# Altium PCB ADAPTONE_PCB_COPY.PcbDoc (part 10 of 11) (continued)
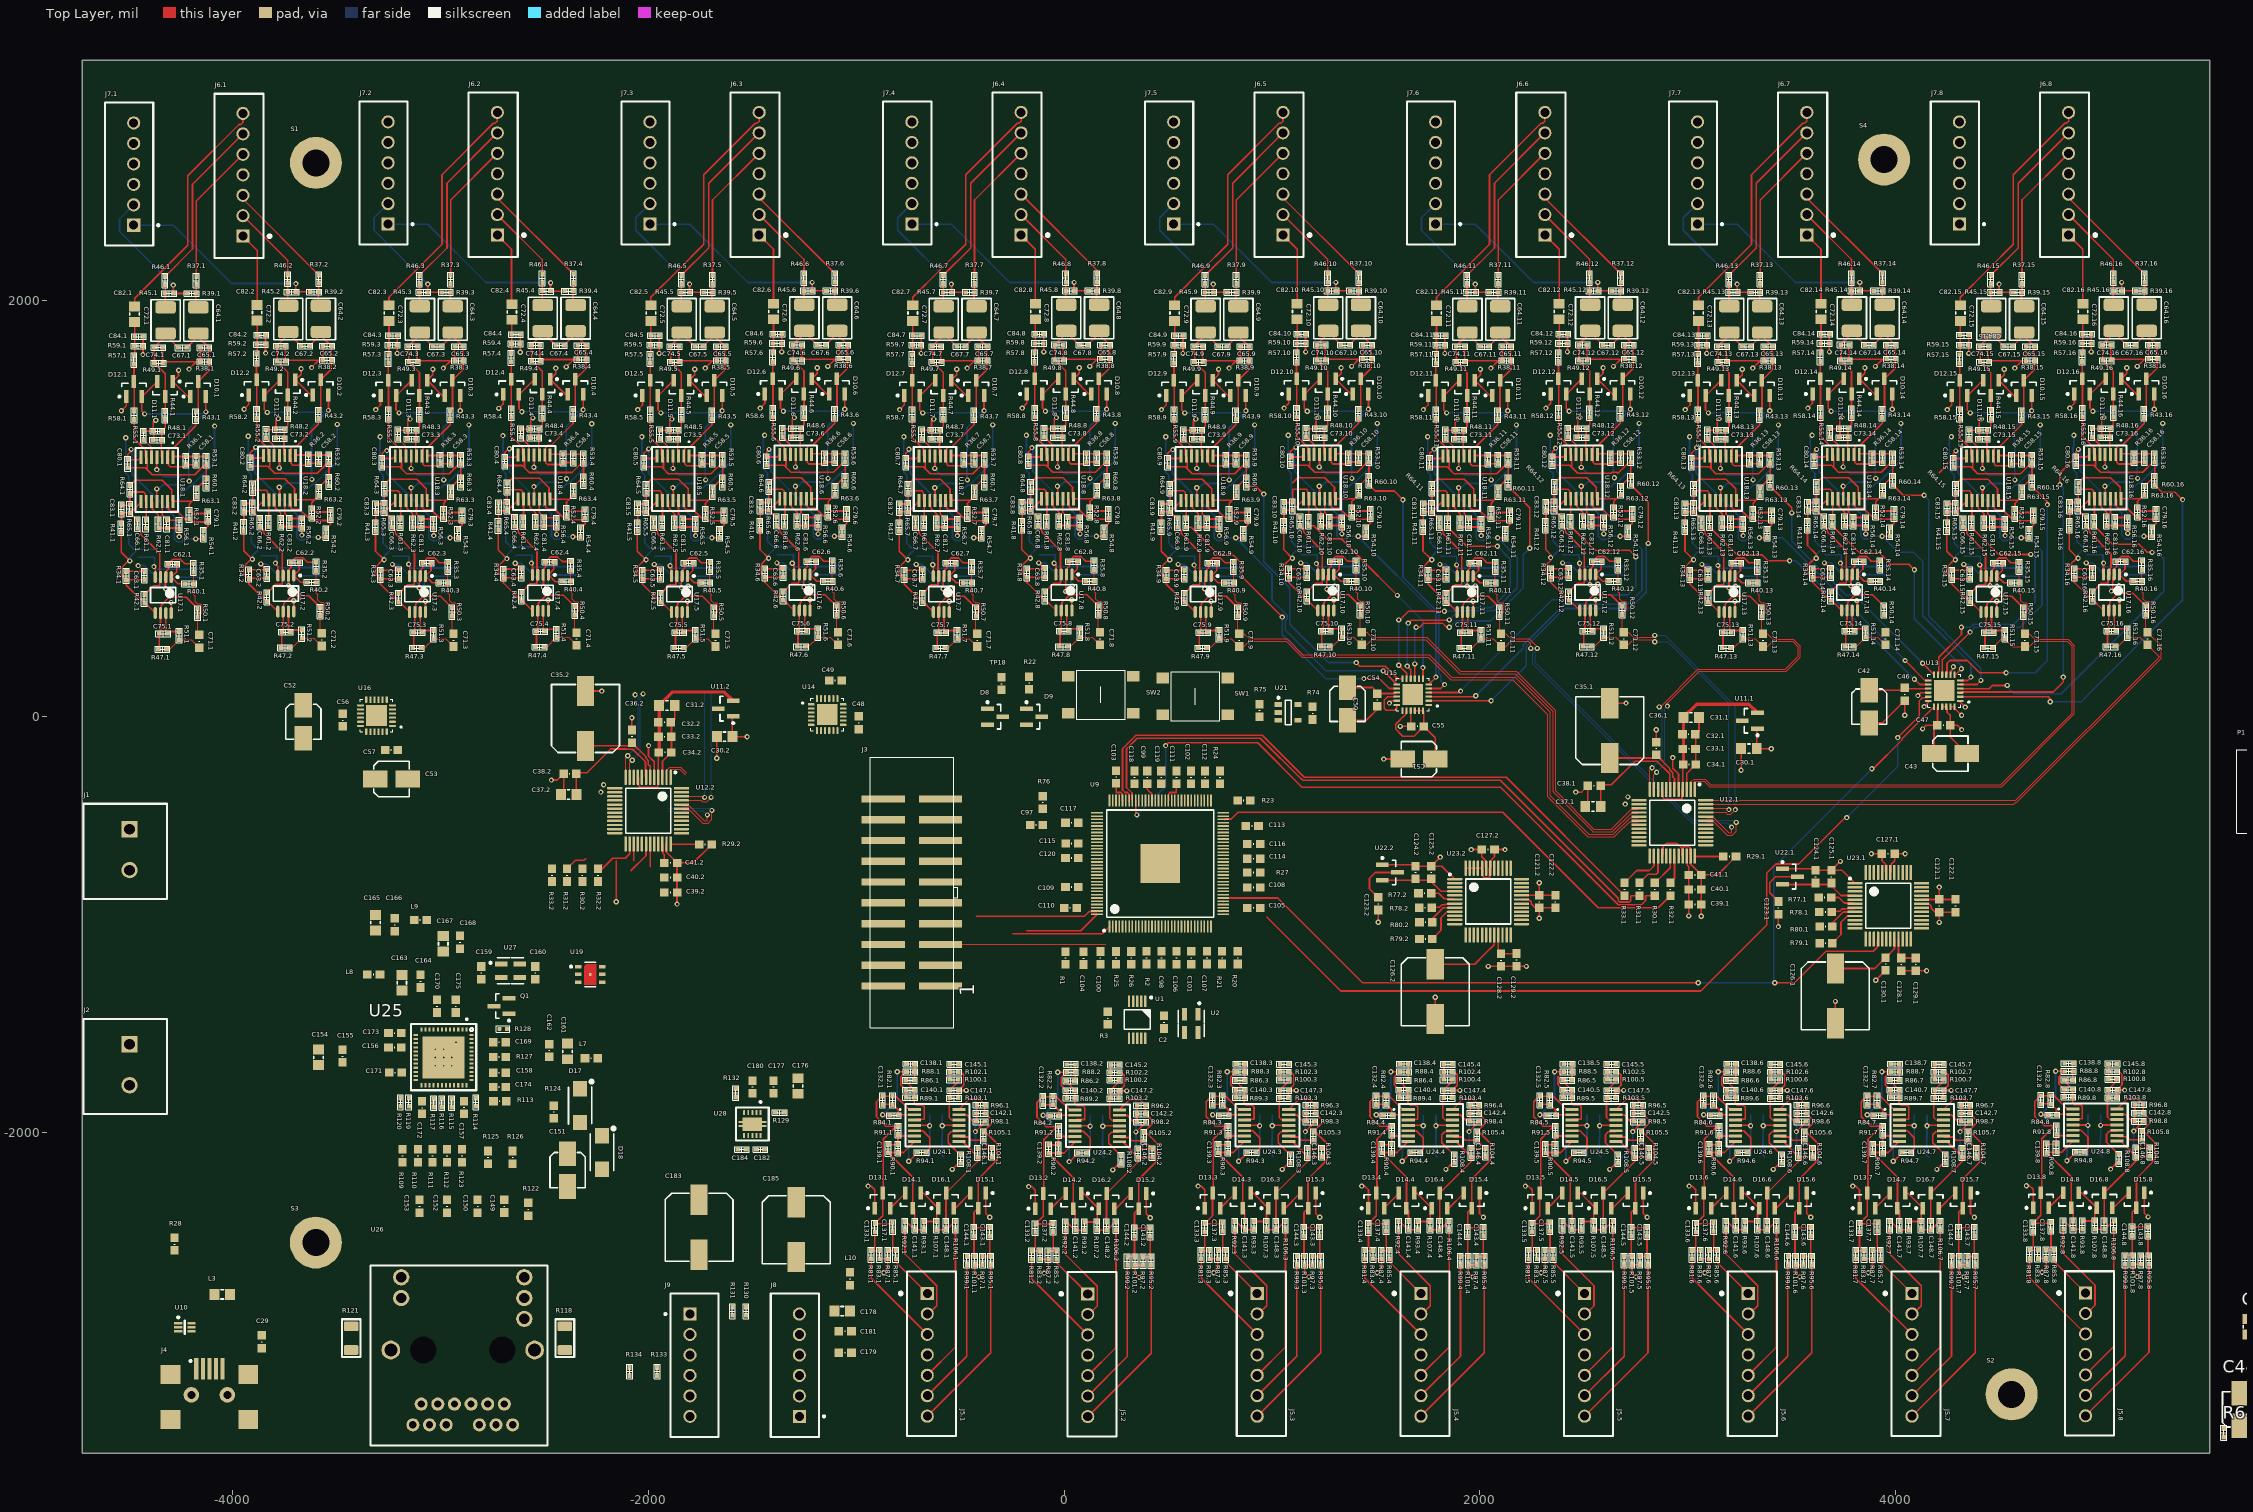
[diagram p0: Top Layer view]
## Nets (pads, with @x,y where several pads share a name; then routed paths per layer and width w, separated by ;. In a path a pad name is that pad's centre, name@x,y a point inside that pad or via, vN(x,y) a via of type N, cw(c..) or ccw(c..) an arc to the next point about the centre after c; other vN are vias at no path point) (continued)
  Top Layer w8: R97.1.2@-391.92,-2597.18 R95.1.2@-353.31,-2597.18 -358.08,-2592.41 C143.1.2@-358.08,-2497.83
NetC143.2_2: C143.2.2 R95.2.2 R97.2.2 | length 139.9
  Top Layer w8: R97.2.2@380.16,-2599.27 R95.2.2@418.77,-2599.27 414,-2594.5 C143.2.2@414,-2499.91
NetC143.3_2: C143.3.2 R95.3.2 R97.3.2 | length 139.9
  Top Layer w8: R97.3.2@1195.33,-2597.18 R95.3.2@1233.95,-2597.18 1229.18,-2592.41 C143.3.2@1229.18,-2497.83
NetC143.4_2: C143.4.2 R95.4.2 R97.4.2 | length 139.9
  Top Layer w8: R97.4.2@1982.74,-2597.18 R95.4.2@2021.35,-2597.18 2016.58,-2592.41 C143.4.2@2016.58,-2497.83
NetC143.5_2: C143.5.2 R95.5.2 R97.5.2 | length 139.9
  Top Layer w8: R97.5.2@2770.14,-2597.18 R95.5.2@2808.75,-2597.18 2803.98,-2592.41 C143.5.2@2803.98,-2497.83
NetC143.6_2: C143.6.2 R95.6.2 R97.6.2 | length 139.9
  Top Layer w8: R97.6.2@3557.54,-2597.18 R95.6.2@3596.15,-2597.18 3591.38,-2592.41 C143.6.2@3591.38,-2497.83
NetC143.7_2: C143.7.2 R95.7.2 R97.7.2 | length 139.9
  Top Layer w8: R97.7.2@4344.94,-2597.18 R95.7.2@4383.55,-2597.18 4378.78,-2592.41 C143.7.2@4378.78,-2497.83
NetC143.8_2: C143.8.2 R95.8.2 R97.8.2 | length 139.9
  Top Layer w8: R97.8.2@5180.16,-2595.1 R95.8.2@5218.77,-2595.1 5214,-2590.33 C143.8.2@5214,-2495.75
NetC144.1_2: C144.1.2 R99.1.2 R101.1.2 | length 131.5
  Top Layer w8: R99.1.2@-468.08,-2597.18 -464.49,-2593.59 -433.78,-2593.59 C144.1.2@-433.78,-2497.83
NetC144.2_2: C144.2.2 R99.2.2 R101.2.2 | length 131.5
  Top Layer w8: R99.2.2@304,-2599.27 307.59,-2595.68 338.3,-2595.68 C144.2.2@338.3,-2499.91
NetC144.3_2: C144.3.2 R99.3.2 R101.3.2 | length 131.5
  Top Layer w8: R99.3.2@1119.18,-2597.18 1122.77,-2593.59 1153.47,-2593.59 C144.3.2@1153.47,-2497.83
NetC144.4_2: C144.4.2 R99.4.2 R101.4.2 | length 131.5
  Top Layer w8: R99.4.2@1906.58,-2597.18 1910.17,-2593.59 1940.88,-2593.59 C144.4.2@1940.88,-2497.83
NetC144.5_2: C144.5.2 R99.5.2 R101.5.2 | length 131.5
  Top Layer w8: R99.5.2@2693.98,-2597.18 2697.57,-2593.59 2728.28,-2593.59 C144.5.2@2728.28,-2497.83
NetC144.6_2: C144.6.2 R99.6.2 R101.6.2 | length 131.5
  Top Layer w8: R99.6.2@3481.38,-2597.18 3484.97,-2593.59 3515.68,-2593.59 C144.6.2@3515.68,-2497.83
NetC144.7_2: C144.7.2 R99.7.2 R101.7.2 | length 131.5
  Top Layer w8: R99.7.2@4268.78,-2597.18 4272.37,-2593.59 4303.08,-2593.59 C144.7.2@4303.08,-2497.83
NetC144.8_2: C144.8.2 R99.8.2 R101.8.2 | length 131.5
  Top Layer w8: R99.8.2@5104,-2595.1 5107.59,-2591.51 5138.3,-2591.51 C144.8.2@5138.3,-2495.75
NetC145.1_2: C145.1.2 R100.1.1 R102.1.2 | length 73
  Top Layer w8: R100.1.1@-547.76,-1745.46 C145.1.2@-547.76,-1672.46
NetC145.2_2: C145.2.2 R100.2.1 R102.2.2 | length 73
  Top Layer w8: R100.2.1@224.31,-1747.54 C145.2.2@224.31,-1674.54
NetC145.3_2: C145.3.2 R100.3.1 R102.3.2 | length 73
  Top Layer w8: R100.3.1@1039.49,-1745.46 C145.3.2@1039.49,-1672.46
NetC145.4_2: C145.4.2 R100.4.1 R102.4.2 | length 73
  Top Layer w8: R100.4.1@1826.89,-1745.46 C145.4.2@1826.89,-1672.46
NetC145.5_2: C145.5.2 R100.5.1 R102.5.2 | length 73
  Top Layer w8: R100.5.1@2614.29,-1745.46 C145.5.2@2614.29,-1672.46
NetC145.6_2: C145.6.2 R100.6.1 R102.6.2 | length 73
  Top Layer w8: R100.6.1@3401.7,-1745.46 C145.6.2@3401.7,-1672.46
NetC145.7_2: C145.7.2 R100.7.1 R102.7.2 | length 73
  Top Layer w8: R100.7.1@4189.1,-1745.46 C145.7.2@4189.1,-1672.46
NetC145.8_2: C145.8.2 R100.8.1 R102.8.2 | length 73
  Top Layer w8: R100.8.1@5024.31,-1743.38 C145.8.2@5024.31,-1670.38
NetC146.1_1: C146.1.1 R104.1.2 R105.1.1 U24.1.9 | length 254.1
  Top Layer w8: U24.1.9@-506.72,-2017.64 -502.02,-2022.34 -461.22,-2022.34 -445.42,-2038.15 R105.1.1@-388.08,-2038.15 -348.76,-2077.46 R104.1.2@-348.08,-2077.46 C146.1.1@-416.46,-2078.11 C146.1.1@-418.08,-2076.5
NetC146.1_2: C146.1.2 C148.1.1 D16.1.3 R104.1.1 U24.1.8 | length 563.8
  Top Layer w8: C148.1.1@-568.08,-2428.78 D16.1.3@-568.08,-2292.04 -416.46,-2140.43 C146.1.2@-416.46,-2117.48 ; U24.1.8@-506.72,-2043.23 -490.71,-2043.23 C146.1.2@-416.46,-2117.48 ; R104.1.1@-348.08,-2116.83 -348.73,-2117.48 C146.1.2@-416.46,-2117.48
NetC146.2_1: C146.2.1 R104.2.2 R105.2.1 U24.2.9 | length 254.1
  Top Layer w8: U24.2.9@265.36,-2019.72 270.06,-2024.42 310.86,-2024.42 326.66,-2040.23 R105.2.1@384,-2040.23 423.31,-2079.54 R104.2.2@424,-2079.54 C146.2.1@355.62,-2080.2 C146.2.1@354,-2078.58
NetC146.2_2: C146.2.2 C148.2.1 D16.2.3 R104.2.1 U24.2.8 | length 563.8
  Top Layer w8: C148.2.1@204,-2430.86 D16.2.3@204,-2294.13 355.62,-2142.51 C146.2.2@355.62,-2119.57 ; U24.2.8@265.36,-2045.31 281.36,-2045.31 C146.2.2@355.62,-2119.57 ; R104.2.1@424,-2118.91 423.35,-2119.57 C146.2.2@355.62,-2119.57
NetC146.3_1: C146.3.1 R104.3.2 R105.3.1 U24.3.9 | length 254.1
  Top Layer w8: U24.3.9@1080.54,-2017.64 1085.24,-2022.34 1126.03,-2022.34 1141.84,-2038.15 R105.3.1@1199.18,-2038.15 1238.49,-2077.46 R104.3.2@1239.18,-2077.46 C146.3.1@1170.79,-2078.11 C146.3.1@1169.18,-2076.5
NetC146.3_2: C146.3.2 C148.3.1 D16.3.3 R104.3.1 U24.3.8 | length 563.8
  Top Layer w8: C148.3.1@1019.18,-2428.78 D16.3.3@1019.18,-2292.04 1170.79,-2140.43 C146.3.2@1170.79,-2117.48 ; U24.3.8@1080.54,-2043.23 1096.54,-2043.23 C146.3.2@1170.79,-2117.48 ; R104.3.1@1239.18,-2116.83 1238.52,-2117.48 C146.3.2@1170.79,-2117.48
NetC146.4_1: C146.4.1 R104.4.2 R105.4.1 U24.4.9 | length 254.1
  Top Layer w8: U24.4.9@1867.94,-2017.64 1872.64,-2022.34 1913.44,-2022.34 1929.24,-2038.15 R105.4.1@1986.58,-2038.15 2025.89,-2077.46 R104.4.2@2026.58,-2077.46 C146.4.1@1958.19,-2078.11 C146.4.1@1956.58,-2076.5
NetC146.4_2: C146.4.2 C148.4.1 D16.4.3 R104.4.1 U24.4.8 | length 563.8
  Top Layer w8: C148.4.1@1806.58,-2428.78 D16.4.3@1806.58,-2292.04 1958.19,-2140.43 C146.4.2@1958.19,-2117.48 ; U24.4.8@1867.94,-2043.23 1883.94,-2043.23 C146.4.2@1958.19,-2117.48 ; R104.4.1@2026.58,-2116.83 2025.92,-2117.48 C146.4.2@1958.19,-2117.48
NetC146.5_1: C146.5.1 R104.5.2 R105.5.1 U24.5.9 | length 254.1
  Top Layer w8: U24.5.9@2655.34,-2017.64 2660.04,-2022.34 2700.84,-2022.34 2716.64,-2038.15 R105.5.1@2773.98,-2038.15 2813.29,-2077.46 R104.5.2@2813.98,-2077.46 C146.5.1@2745.59,-2078.11 C146.5.1@2743.98,-2076.5
NetC146.5_2: C146.5.2 C148.5.1 D16.5.3 R104.5.1 U24.5.8 | length 563.8
  Top Layer w8: C148.5.1@2593.98,-2428.78 D16.5.3@2593.98,-2292.04 2745.59,-2140.43 C146.5.2@2745.59,-2117.48 ; U24.5.8@2655.34,-2043.23 2671.34,-2043.23 C146.5.2@2745.59,-2117.48 ; R104.5.1@2813.98,-2116.83 2813.33,-2117.48 C146.5.2@2745.59,-2117.48
NetC146.6_1: C146.6.1 R104.6.2 R105.6.1 U24.6.9 | length 254.1
  Top Layer w8: U24.6.9@3442.74,-2017.64 3447.44,-2022.34 3488.24,-2022.34 3504.04,-2038.15 R105.6.1@3561.38,-2038.15 3600.7,-2077.46 R104.6.2@3601.38,-2077.46 C146.6.1@3533,-2078.11 C146.6.1@3531.38,-2076.5
NetC146.6_2: C146.6.2 C148.6.1 D16.6.3 R104.6.1 U24.6.8 | length 563.8
  Top Layer w8: C148.6.1@3381.38,-2428.78 D16.6.3@3381.38,-2292.04 3533,-2140.43 C146.6.2@3533,-2117.48 ; U24.6.8@3442.74,-2043.23 3458.74,-2043.23 C146.6.2@3533,-2117.48 ; R104.6.1@3601.38,-2116.83 3600.73,-2117.48 C146.6.2@3533,-2117.48
NetC146.7_1: C146.7.1 R104.7.2 R105.7.1 U24.7.9 | length 254.1
  Top Layer w8: U24.7.9@4230.14,-2017.64 4234.85,-2022.34 4275.64,-2022.34 4291.44,-2038.15 R105.7.1@4348.78,-2038.15 4388.1,-2077.46 R104.7.2@4388.78,-2077.46 C146.7.1@4320.4,-2078.11 C146.7.1@4318.78,-2076.5
NetC146.7_2: C146.7.2 C148.7.1 D16.7.3 R104.7.1 U24.7.8 | length 563.8
  Top Layer w8: C148.7.1@4168.78,-2428.78 D16.7.3@4168.78,-2292.04 4320.4,-2140.43 C146.7.2@4320.4,-2117.48 ; U24.7.8@4230.14,-2043.23 4246.15,-2043.23 C146.7.2@4320.4,-2117.48 ; R104.7.1@4388.78,-2116.83 4388.13,-2117.48 C146.7.2@4320.4,-2117.48
NetC146.8_1: C146.8.1 R104.8.2 R105.8.1 U24.8.9 | length 254.1
  Top Layer w8: U24.8.9@5065.36,-2015.56 5070.06,-2020.26 5110.86,-2020.26 5126.66,-2036.06 R105.8.1@5184,-2036.06 5223.31,-2075.38 R104.8.2@5224,-2075.38 C146.8.1@5155.62,-2076.03 C146.8.1@5154,-2074.42
NetC146.8_2: C146.8.2 C148.8.1 D16.8.3 R104.8.1 U24.8.8 | length 563.8
  Top Layer w8: C148.8.1@5004,-2426.69 D16.8.3@5004,-2289.96 5155.62,-2138.35 C146.8.2@5155.62,-2115.4 ; U24.8.8@5065.36,-2041.15 5081.36,-2041.15 C146.8.2@5155.62,-2115.4 ; R104.8.1@5224,-2114.75 5223.35,-2115.4 C146.8.2@5155.62,-2115.4
NetC147.1_1: C147.1.1 R100.1.2 R103.1.2 U24.1.12 | length 250.2
  Top Layer w8: R103.1.2@-548.76,-1835.46 -553.08,-1839.78 -553.08,-1928.46 -540.67,-1940.87 U24.1.12@-506.72,-1940.87 ; R103.1.2@-547.76,-1834.46 C147.1.1@-547.76,-1798.46 -547.76,-1794.15 -509.39,-1755.78 R100.1.2@-509.39,-1746.46
NetC147.2_1: C147.2.1 R100.2.2 R103.2.2 U24.2.12 | length 250.2
  Top Layer w8: R103.2.2@223.31,-1837.54 219,-1841.86 219,-1930.54 231.41,-1942.95 U24.2.12@265.36,-1942.95 ; R103.2.2@224.32,-1836.54 C147.2.1@224.32,-1800.54 224.32,-1796.23 262.69,-1757.86 R100.2.2@262.69,-1748.54
NetC147.3_1: C147.3.1 R100.3.2 R103.3.2 U24.3.12 | length 250.2
  Top Layer w8: R103.3.2@1038.49,-1835.46 1034.18,-1839.78 1034.18,-1928.46 1046.59,-1940.87 U24.3.12@1080.54,-1940.87 ; R103.3.2@1039.49,-1834.46 C147.3.1@1039.49,-1798.46 1039.49,-1794.15 1077.86,-1755.78 R100.3.2@1077.86,-1746.46
NetC147.4_1: C147.4.1 R100.4.2 R103.4.2 U24.4.12 | length 250.2
  Top Layer w8: R103.4.2@1825.89,-1835.46 1821.58,-1839.78 1821.58,-1928.46 1833.99,-1940.87 U24.4.12@1867.94,-1940.87 ; R103.4.2@1826.89,-1834.46 C147.4.1@1826.89,-1798.46 1826.89,-1794.15 1865.26,-1755.78 R100.4.2@1865.26,-1746.46
NetC147.5_1: C147.5.1 R100.5.2 R103.5.2 U24.5.12 | length 250.2
  Top Layer w8: R103.5.2@2613.29,-1835.46 2608.98,-1839.78 2608.98,-1928.46 2621.39,-1940.87 U24.5.12@2655.34,-1940.87 ; R103.5.2@2614.29,-1834.46 C147.5.1@2614.29,-1798.46 2614.29,-1794.15 2652.66,-1755.78 R100.5.2@2652.66,-1746.46
NetC147.6_1: C147.6.1 R100.6.2 R103.6.2 U24.6.12 | length 250.2
  Top Layer w8: R103.6.2@3400.7,-1835.46 3396.38,-1839.78 3396.38,-1928.46 3408.79,-1940.87 U24.6.12@3442.74,-1940.87 ; R103.6.2@3401.7,-1834.46 C147.6.1@3401.7,-1798.46 3401.7,-1794.15 3440.07,-1755.78 R100.6.2@3440.07,-1746.46
NetC147.7_1: C147.7.1 R100.7.2 R103.7.2 U24.7.12 | length 250.2
  Top Layer w8: R103.7.2@4188.1,-1835.46 4183.78,-1839.78 4183.78,-1928.46 4196.19,-1940.87 U24.7.12@4230.14,-1940.87 ; R103.7.2@4189.1,-1834.46 C147.7.1@4189.1,-1798.46 4189.1,-1794.15 4227.47,-1755.78 R100.7.2@4227.47,-1746.46
NetC147.8_1: C147.8.1 R100.8.2 R103.8.2 U24.8.12 | length 250.2
  Top Layer w8: R103.8.2@5023.31,-1833.38 5019,-1837.69 5019,-1926.38 5031.41,-1938.79 U24.8.12@5065.36,-1938.79 ; R103.8.2@5024.32,-1832.38 C147.8.1@5024.32,-1796.38 5024.32,-1792.06 5062.69,-1753.69 R100.8.2@5062.69,-1744.38
NetC148.1_2: C148.1.2 R106.1.2 R107.1.2 | length 107.5
  Top Layer w8: R107.1.2@-613.69,-2468.15 C148.1.2@-568.08,-2468.15 -566,-2468.15 -526.63,-2428.78 R106.1.2@-522.5,-2428.78
NetC148.2_2: C148.2.2 R106.2.2 R107.2.2 | length 107.5
  Top Layer w8: R107.2.2@158.38,-2470.23 C148.2.2@204,-2470.23 206.08,-2470.23 245.45,-2430.86 R106.2.2@249.58,-2430.86
NetC148.3_2: C148.3.2 R106.3.2 R107.3.2 | length 107.5
  Top Layer w8: R107.3.2@973.56,-2468.15 C148.3.2@1019.18,-2468.15 1021.26,-2468.15 1060.63,-2428.78 R106.3.2@1064.75,-2428.78
NetC148.4_2: C148.4.2 R106.4.2 R107.4.2 | length 107.5
  Top Layer w8: R107.4.2@1760.96,-2468.15 C148.4.2@1806.58,-2468.15 1808.66,-2468.15 1848.03,-2428.78 R106.4.2@1852.16,-2428.78
NetC148.5_2: C148.5.2 R106.5.2 R107.5.2 | length 107.5
  Top Layer w8: R107.5.2@2548.36,-2468.15 C148.5.2@2593.98,-2468.15 2596.06,-2468.15 2635.43,-2428.78 R106.5.2@2639.56,-2428.78
NetC148.6_2: C148.6.2 R106.6.2 R107.6.2 | length 107.5
  Top Layer w8: R107.6.2@3335.77,-2468.15 C148.6.2@3381.38,-2468.15 3383.46,-2468.15 3422.83,-2428.78 R106.6.2@3426.96,-2428.78
NetC148.7_2: C148.7.2 R106.7.2 R107.7.2 | length 107.5
  Top Layer w8: R107.7.2@4123.17,-2468.15 C148.7.2@4168.78,-2468.15 4170.86,-2468.15 4210.24,-2428.78 R106.7.2@4214.36,-2428.78
NetC148.8_2: C148.8.2 R106.8.2 R107.8.2 | length 107.5
  Top Layer w8: R107.8.2@4958.38,-2466.06 C148.8.2@5004,-2466.06 5006.08,-2466.06 5045.45,-2426.69 R106.8.2@5049.58,-2426.69
NetC149_1: C149.1 U26.12
NetC150_1: C150.1 U26.6
NetC152_1: C152.1 U26.1
NetC153_1: C153.1 U26.7
NetC183_-: C183.- J8.1
NetC185_-: C185.- J8.2
NetD1_1: D1.1 R4.2
NetD2_A: D2.A D3.A R6.1
NetD6_1: D6.1 L2.2 U8.4 U8.5 U8.6
NetD8_1: D8.1 D9.1 R22.2 TP18.1 TP18.2 U9.123 U9.124
NetD9_2: D9.2 D9.3 SW1.1 SW2.1 U21.1
NetD12.1_3: D12.1.3 R57.1.1 R58.1.2 | length 227.5
  Top Layer w8: R57.1.1@-4474.84,1696.35 D12.1.3@-4474.84,1612.45 -4473.78,1611.39 R58.1.2@-4473.78,1469.3
NetD12.2_3: D12.2.3 R57.2.1 R58.2.2 | length 227.5
  Top Layer w8: R57.2.1@-3885.17,1703.83 D12.2.3@-3885.17,1619.93 -3884.11,1618.86 R58.2.2@-3884.11,1476.78
NetD12.3_3: D12.3.3 R57.3.1 R58.3.2 | length 227.5
  Top Layer w8: R57.3.1@-3251.26,1701.49 D12.3.3@-3251.26,1617.59 -3250.2,1616.53 R58.3.2@-3250.2,1474.44
NetD12.4_3: D12.4.3 R57.4.1 R58.4.2 | length 227.5
  Top Layer w8: R57.4.1@-2660.23,1707.08 D12.4.3@-2660.23,1623.18 -2659.17,1622.12 R58.4.2@-2659.17,1480.03
NetD12.5_3: D12.5.3 R57.5.1 R58.5.2 | length 227.5
  Top Layer w8: R57.5.1@-1991.42,1701.49 D12.5.3@-1991.42,1617.59 -1990.35,1616.53 R58.5.2@-1990.35,1474.44
NetD12.6_3: D12.6.3 R57.6.1 R58.6.2 | length 227.5
  Top Layer w8: R57.6.1@-1401.75,1708.96 D12.6.3@-1401.75,1625.07 -1400.68,1624 R58.6.2@-1400.68,1481.92
NetD12.7_3: D12.7.3 R57.7.1 R58.7.2 | length 227.5
  Top Layer w8: R57.7.1@-731.57,1701.49 D12.7.3@-731.57,1617.59 -730.51,1616.53 R58.7.2@-730.51,1474.44
NetD12.8_3: D12.8.3 R57.8.1 R58.8.2 | length 227.5
  Top Layer w8: R57.8.1@-141.9,1708.96 D12.8.3@-141.9,1625.07 -140.84,1624 R58.8.2@-140.84,1481.92
NetD12.9_3: D12.9.3 R57.9.1 R58.9.2 | length 227.5
  Top Layer w8: R57.9.1@528.27,1701.49 D12.9.3@528.27,1617.59 529.33,1616.53 R58.9.2@529.33,1474.44
NetD12.10_3: D12.10.3 R57.10.1 R58.10.2 | length 227.5
  Top Layer w8: R57.10.1@1117.94,1708.96 D12.10.3@1117.94,1625.07 1119,1624 R58.10.2@1119,1481.92
NetD12.11_3: D12.11.3 R57.11.1 R58.11.2 | length 227.5
  Top Layer w8: R57.11.1@1788.11,1701.49 D12.11.3@1788.11,1617.59 1789.17,1616.53 R58.11.2@1789.17,1474.44
NetD12.12_3: D12.12.3 R57.12.1 R58.12.2 | length 227.5
  Top Layer w8: R57.12.1@2377.78,1708.96 D12.12.3@2377.78,1625.07 2378.85,1624 R58.12.2@2378.85,1481.92
NetD12.13_3: D12.13.3 R57.13.1 R58.13.2 | length 227.5
  Top Layer w8: R57.13.1@3047.95,1701.49 D12.13.3@3047.95,1617.59 3049.02,1616.53 R58.13.2@3049.02,1474.44
NetD12.14_3: D12.14.3 R57.14.1 R58.14.2 | length 227.5
  Top Layer w8: R57.14.1@3637.62,1708.96 D12.14.3@3637.62,1625.07 3638.69,1624 R58.14.2@3638.69,1481.92
NetD12.15_3: D12.15.3 R57.15.1 R58.15.2 | length 227.5
  Top Layer w8: R57.15.1@4307.8,1701.49 D12.15.3@4307.8,1617.59 4308.86,1616.53 R58.15.2@4308.86,1474.44
NetD12.16_3: D12.16.3 R57.16.1 R58.16.2 | length 227.5
  Top Layer w8: R57.16.1@4897.47,1708.96 D12.16.3@4897.47,1625.07 4898.53,1624 R58.16.2@4898.53,1481.92
NetD19_A: D19.A D20.A R135.1
NetD19_K: D19.K D20.K Q2.D
NetD21_A: D21.A D22.A R136.1
NetD21_K: D21.K D22.K Q3.D
NetD23_A: D23.A D24.A R137.1
NetD23_K: D23.K D24.K Q4.D
NetJ2_2: J2.2 R4.1
NetJ4_1: J4.1 L3.2
NetJ4_4: J4.4 R28.1
NetJ6.1_2: J6.1.2 R46.2.1 | length 373.8
  Top Layer w8: J6.1.2@-3950.41,2409.57 -3735.17,2194.33 R46.2.1@-3735.17,2124.88
NetJ6.1_3: J6.1.3 R37.2.1 | length 534.4
  Top Layer w8: J6.1.3@-3950.41,2508 -3950.41,2490.12 R37.2.1@-3585.17,2124.88
NetJ6.1_5: J6.1.5 R37.1.1 | length 680.4
  Top Layer w8: R37.1.1@-4174.84,2117.4 -4174.84,2480.41 J6.1.5@-3950.41,2704.85
NetJ6.1_6: J6.1.6 R46.1.1 | length 841
  Top Layer w8: R46.1.1@-4324.84,2117.4 -4192.84,2249.4 -4192.84,2560.84 J6.1.6@-3950.41,2803.27
NetJ6.2_2: J6.2.2 R46.4.1 | length 373.8
  Top Layer w8: J6.2.2@-2726.83,2414.71 -2511.59,2199.47 ; R46.4.1@-2510.23,2128.13 -2510.23,2197.59
NetJ6.2_3: J6.2.3 R37.4.1 | length 534.4
  Top Layer w8: J6.2.3@-2726.83,2513.13 -2726.83,2495.26 R37.4.1@-2361.59,2130.02
NetJ6.2_5: J6.2.5 R37.3.1 | length 680.4
  Top Layer w8: R37.3.1@-2951.26,2122.54 -2951.26,2485.55 J6.2.5@-2726.83,2709.99
NetJ6.2_6: J6.2.6 R46.3.1 | length 841
  Top Layer w8: R46.3.1@-3101.26,2122.54 -2969.26,2254.54 -2969.26,2565.98 J6.2.6@-2726.83,2808.41
NetJ6.3_2: J6.3.2 R46.6.1 | length 373.8
  Top Layer w8: J6.3.2@-1466.98,2414.71 -1251.75,2199.47 R46.6.1@-1251.75,2130.02
NetJ6.3_3: J6.3.3 R37.6.1 | length 534.4
  Top Layer w8: J6.3.3@-1466.98,2513.13 -1466.98,2495.26 R37.6.1@-1101.75,2130.02
NetJ6.3_5: J6.3.5 R37.5.1 | length 680.4
  Top Layer w8: R37.5.1@-1691.42,2122.54 -1691.42,2485.55 J6.3.5@-1466.98,2709.99
NetJ6.3_6: J6.3.6 R46.5.1 | length 841
  Top Layer w8: R46.5.1@-1841.42,2122.54 -1709.42,2254.54 -1709.42,2565.98 J6.3.6@-1466.98,2808.41
NetJ6.4_2: J6.4.2 R46.8.1 | length 373.8
  Top Layer w8: J6.4.2@-207.14,2414.71 8.1,2199.47 R46.8.1@8.1,2130.02
NetJ6.4_3: J6.4.3 R37.8.1 | length 552.3
  Top Layer w8: J6.4.3@-207.14,2495.26 J6.4.3@-207.14,2513.13 158.1,2147.9 R37.8.1@158.1,2130.02
NetJ6.4_5: J6.4.5 R37.7.1 | length 680.4
  Top Layer w8: R37.7.1@-431.57,2122.54 -431.57,2485.55 J6.4.5@-207.14,2709.99
NetJ6.4_6: J6.4.6 R46.7.1 | length 841
  Top Layer w8: R46.7.1@-581.57,2122.54 -449.57,2254.54 -449.57,2565.98 J6.4.6@-207.14,2808.41
NetJ6.5_2: J6.5.2 R46.10.1 | length 373.8
  Top Layer w8: J6.5.2@1052.7,2414.71 1267.94,2199.47 R46.10.1@1267.94,2130.02
NetJ6.5_3: J6.5.3 R37.10.1 | length 534.4
  Top Layer w8: J6.5.3@1052.7,2513.13 1052.7,2495.26 R37.10.1@1417.94,2130.02
NetJ6.5_5: J6.5.5 R37.9.1 | length 680.4
  Top Layer w8: R37.9.1@828.27,2122.54 828.27,2485.55 J6.5.5@1052.7,2709.99
NetJ6.5_6: J6.5.6 R46.9.1 | length 841
  Top Layer w8: R46.9.1@678.27,2122.54 810.27,2254.54 810.27,2565.98 J6.5.6@1052.7,2808.41
NetJ6.6_2: J6.6.2 R46.12.1 | length 373.8
  Top Layer w8: J6.6.2@2312.54,2414.71 2527.78,2199.47 R46.12.1@2527.78,2130.02
NetJ6.6_3: J6.6.3 R37.12.1 | length 534.4
  Top Layer w8: J6.6.3@2312.54,2513.13 2312.54,2495.26 R37.12.1@2677.78,2130.02
NetJ6.6_5: J6.6.5 R37.11.1 | length 680.4
  Top Layer w8: R37.11.1@2088.11,2122.54 2088.11,2485.55 J6.6.5@2312.54,2709.99
NetJ6.6_6: J6.6.6 R46.11.1 | length 841
  Top Layer w8: R46.11.1@1938.11,2122.54 2070.11,2254.54 2070.11,2565.98 J6.6.6@2312.54,2808.41
NetJ6.7_2: J6.7.2 R46.14.1 | length 373.8
  Top Layer w8: J6.7.2@3572.39,2414.71 3787.62,2199.47 R46.14.1@3787.62,2130.02
NetJ6.7_3: J6.7.3 R37.14.1 | length 534.4
  Top Layer w8: J6.7.3@3572.39,2513.13 3572.39,2495.26 R37.14.1@3937.62,2130.02
NetJ6.7_5: J6.7.5 R37.13.1 | length 680.4
  Top Layer w8: R37.13.1@3347.95,2122.54 3347.95,2485.55 J6.7.5@3572.39,2709.99
NetJ6.7_6: J6.7.6 R46.13.1 | length 841
  Top Layer w8: R46.13.1@3197.95,2122.54 3329.95,2254.54 3329.95,2565.98 J6.7.6@3572.39,2808.41
NetJ6.8_2: J6.8.2 R46.16.1 | length 373.8
  Top Layer w8: J6.8.2@4832.23,2414.71 5047.47,2199.47 R46.16.1@5047.47,2130.02
NetJ6.8_3: J6.8.3 R37.16.1 | length 534.4
  Top Layer w8: J6.8.3@4832.23,2513.13 4832.23,2495.26 R37.16.1@5197.47,2130.02
NetJ6.8_5: J6.8.5 R37.15.1 | length 680.4
  Top Layer w8: R37.15.1@4607.8,2122.54 4607.8,2485.55 J6.8.5@4832.23,2709.99
NetJ6.8_6: J6.8.6 R46.15.1 | length 841
  Top Layer w8: R46.15.1@4457.8,2122.54 4589.8,2254.54 4589.8,2565.98 J6.8.6@4832.23,2808.41
NetL4_1: L4.1 U19.3
NetP1_5: P1.5
NetQ1_G: Q1.G U25.43
NetQ2_G: Q2.G R138.2
NetQ3_G: Q3.G R139.2
NetQ4_G: Q4.G R140.2
NetR1_1: R1.1 R3.1 U1.7 U2.3
NetR1_2: R1.2 U9.125
NetR2_1: R2.1 R3.2 U1.3
NetR5_1: R5.1 U3.7
NetR7_2: R7.2 R9.1 U3.5
NetR11_1: R11.1 R14.1 U8.2
NetR12_2: R12.2 R16.1 U8.13
NetR15_1: R15.1 U8.1
NetR17_2: R17.2 U8.14
NetR19_1: R19.1 U9.93
NetR23_2: R23.2 U9.64
NetR24_2: R24.2 U9.66
NetR25_2: R25.2 U9.10
NetR26_2: R26.2 U9.12
NetR27_2: R27.2 U9.48
NetR28_2: R28.2 U9.43
NetR29.1_2: R29.1.2 R29.2.2 TP10.1 TP10.2 U9.96 U12.1.36 U12.2.36 | length 275.2
  Top Layer w8: U12.2.36@-1893.2,-612.83 -1891.29,-614.73 R29.2.2@-1756.37,-614.73 ; U12.1.36@3034.22,-670.83 3036.13,-672.73 R29.1.2@3171.05,-672.73
NetR30.1_1: R30.1.1 U12.1.30 | length 161
  Top Layer w8: R30.1.1@2841.26,-800 2842.62,-800 2916.11,-726.5 U12.1.30@2916.11,-670.83
NetR30.2_1: R30.2.1 U12.2.30 | length 161
  Top Layer w8: R30.2.1@-2317.74,-732 R30.2.1@-2316.38,-732 ; -2084.81,-742 -2011.31,-668.5 U12.2.30@-2011.31,-612.83
NetR31.1_1: R31.1.1 U12.1.27 | length 203.1
  Top Layer w8: R31.1.1@2780,-800 R31.1.1@2767.22,-800 2808.22,-759 2849,-759 2857.06,-750.94 U12.1.27@2857.06,-670.83
NetR31.2_1: R31.2.1 U12.2.27 | length 203.1
  Top Layer w8: R31.2.1@-2379,-732 R31.2.1@-2391.78,-732 -2350.78,-691 -2310,-691 -2301.94,-682.94 ; -2070.36,-692.94 U12.2.27@-2070.36,-612.83
NetR32.1_1: R32.1.1 U12.1.31 | length 137.3
  Top Layer w8: R32.1.1@2916.11,-800 2935.8,-780.31 U12.1.31@2935.8,-670.83
NetR32.2_1: R32.2.1 U12.2.31 | length 137.3
  Top Layer w8: R32.2.1@-2242.88,-732 R32.2.1@-2223.2,-712.31 ; -1991.62,-722.31 U12.2.31@-1991.62,-612.83
NetR33.1_1: R33.1.1 U12.1.26 | length 223.3
  Top Layer w8: R33.1.1@2695.24,-800 2755.24,-740 2815.43,-740 2837.37,-718.06 U12.1.26@2837.37,-670.83
NetR33.2_1: R33.2.1 U12.2.26 | length 223.3
  Top Layer w8: -2232.18,-742 -2172.18,-682 -2111.99,-682 -2090.05,-660.06 U12.2.26@-2090.05,-612.83
NetR55.1_2: R55.1.2 U18.1.5 | length 101
  Top Layer w8: R55.1.2@-4428.55,1333.09 -4390.14,1294.68 U18.1.5@-4390.14,1247.96
NetR55.2_2: R55.2.2 U18.2.5 | length 101
  Top Layer w8: R55.2.2@-3838.88,1340.57 -3800.47,1302.16 U18.2.5@-3800.47,1255.43
NetR55.3_2: R55.3.2 U18.3.5 | length 101
  Top Layer w8: R55.3.2@-3204.97,1338.23 -3166.56,1299.82 U18.3.5@-3166.56,1253.09
NetR55.4_2: R55.4.2 U18.4.5 | length 101
  Top Layer w8: R55.4.2@-2613.94,1343.82 -2575.53,1305.41 U18.4.5@-2575.53,1258.68
NetR55.5_2: R55.5.2 U18.5.5 | length 101
  Top Layer w8: R55.5.2@-1945.13,1338.23 -1906.72,1299.82 U18.5.5@-1906.72,1253.09
NetR55.6_2: R55.6.2 U18.6.5 | length 101
  Top Layer w8: R55.6.2@-1355.46,1345.71 -1317.05,1307.3 U18.6.5@-1317.05,1260.57
NetR55.7_2: R55.7.2 U18.7.5 | length 101
  Top Layer w8: R55.7.2@-685.29,1338.23 -646.88,1299.82 U18.7.5@-646.88,1253.09
NetR55.8_2: R55.8.2 U18.8.5 | length 101
  Top Layer w8: R55.8.2@-95.62,1345.71 -57.21,1307.3 U18.8.5@-57.21,1260.57
NetR55.9_2: R55.9.2 U18.9.5 | length 101
  Top Layer w8: R55.9.2@574.56,1338.23 612.96,1299.82 U18.9.5@612.96,1253.09
NetR55.10_2: R55.10.2 U18.10.5 | length 101
  Top Layer w8: R55.10.2@1164.23,1345.71 1202.64,1307.3 U18.10.5@1202.64,1260.57
NetR55.11_2: R55.11.2 U18.11.5 | length 101
  Top Layer w8: R55.11.2@1834.4,1338.23 1872.81,1299.82 U18.11.5@1872.81,1253.09
NetR55.12_2: R55.12.2 U18.12.5 | length 101
  Top Layer w8: R55.12.2@2424.07,1345.71 2462.48,1307.3 U18.12.5@2462.48,1260.57
NetR55.13_2: R55.13.2 U18.13.5 | length 101
  Top Layer w8: R55.13.2@3094.24,1338.23 3132.65,1299.82 U18.13.5@3132.65,1253.09
NetR55.14_2: R55.14.2 U18.14.5 | length 101
  Top Layer w8: R55.14.2@3683.91,1345.71 3722.32,1307.3 U18.14.5@3722.32,1260.57
NetR55.15_2: R55.15.2 U18.15.5 | length 101
  Top Layer w8: R55.15.2@4354.08,1338.23 4392.49,1299.82 U18.15.5@4392.49,1253.09
NetR55.16_2: R55.16.2 U18.16.5 | length 101
  Top Layer w8: R55.16.2@4943.75,1345.71 4982.16,1307.3 U18.16.5@4982.16,1260.57
NetR60.1_1: R60.1.1 U16.12
NetR60.2_1: R60.2.1 U16.5
NetR60.3_1: R60.3.1 U16.9
NetR60.4_1: R60.4.1 U16.2
NetR60.5_1: R60.5.1 U14.12
NetR60.6_1: R60.6.1 U14.5
NetR60.7_1: R60.7.1 U14.9
NetR60.8_1: R60.8.1 U14.2
NetR60.9_1: R60.9.1 U15.12 | length 1427.7
  Top Layer w8: R60.9.1@876.56,1108.17 922.34,1108.17 v1(960,1070.51) ; v1(1404.76,260) 1422.26,242.5 1544.56,242.5 1604.1,182.97 U15.12@1627.79,182.97
  Bottom Layer w8: v1(960,1070.51) 960,744.96 1085.68,619.28 1085.68,444.32 1270,260 v1(1404.76,260)
NetR60.10_1: R60.10.1 U15.5 | length 1249
  Top Layer w8: R60.10.1@1466.23,1115.65 1496.23,1085.65 1587.19,1085.65 v1(1630,1042.83) ; U15.5@1753.97,135.53 1811.04,135.53 v1(1830,154.49)
  Bottom Layer w8: v1(1630,1042.83) 1630,670 1802.76,497.24 1802.76,207.82 1811.26,199.32 1811.26,173.23 v1(1830,154.49)
NetR60.11_1: R60.11.1 U15.9 | length 1403.7
  Top Layer w8: U15.9@1686.84,182.97 v1(1686.84,253.52) ; v1(1692.76,430) 1710,430 1730,450 1820,450 1840,430 v1(1852.76,430) ; R60.11.1@2136.4,1108.17 2240,1004.57 v1(2240,810)
  Bottom Layer w8: v1(1686.84,253.52) 1686.84,416.84 v1(1692.76,430) ; v1(1852.76,430) 1884.88,460 2050,460 2208.5,618.5 2208.5,778.5 v1(2240,810)
NetR60.12_1: R60.12.1 U15.2 | length 1872
  Top Layer w8: U15.2@1753.97,76.47 v1(2053.58,76.47) ; R60.12.1@2726.07,1115.65 2810,1031.72 v1(2810,832.89)
  Bottom Layer w8: v1(2053.58,76.47) 2222.5,245.39 2222.5,337.32 2405.18,520 2721.17,520 2800,598.83 2800,822.89 v1(2810,832.89)
NetR60.13_1: R60.13.1 U13.12 | length 1270
  Top Layer w8: R60.13.1@3396.24,1108.17 3500,1004.41 v1(3500,980) ; v1(4129.84,256.68) U13.12@4184.58,201.94
  Bottom Layer w8: v1(3500,980) 3500,844.88 3761.54,583.33 3825.14,583.33 3837.44,571.03 3837.44,549.08 v1(4129.84,256.68)
NetR60.14_1: R60.14.1 U13.5 | length 1283.9
  Top Layer w8: R60.14.1@3985.91,1115.65 4036.81,1064.75 v1(4136.79,1064.75) ; U13.5@4310.76,154.5 4391.65,154.5 4410,172.85 v1(4410,174.18)
  Bottom Layer w8: v1(4136.79,1064.75) 4160,1041.54 4160,482.19 4410,232.19 v1(4410,174.18)
NetR60.15_1: R60.15.1 U13.9 | length 1465.8
  Top Layer w8: U13.9@4247.2,201.94 U13.9@4243.64,201.94 4247.2,205.5 4247.2,257.2 4260,270 4345.08,270 4403.75,211.33 v1(4530.91,211.33) ; R60.15.1@4656.08,1108.17 4730,1034.25 v1(4730,1020)
  Bottom Layer w8: v1(4530.91,211.33) 4671.33,211.33 4730,270 v1(4730,1020)
NetR60.16_1: R60.16.1 U13.2 | length 1941
  Top Layer w8: U13.2@4310.76,95.44 4734.56,95.44 4744,86 v1(4744,72) ; R60.16.1@5245.75,1115.65 5281.4,1080 5343.79,1080 v1(5380,1043.79)
  Bottom Layer w8: v1(4744,72) 4894.13,72 4912.13,90 4911.06,91.06 5379.1,559.1 5380,558.2 v1(5380,1043.79)
NetR61.1_2: R61.1.2 U16.14
NetR61.2_2: R61.2.2 U16.7
NetR61.3_2: R61.3.2 U16.11
NetR61.4_2: R61.4.2 U16.4
NetR61.5_2: R61.5.2 U14.14
NetR61.6_2: R61.6.2 U14.7
NetR61.7_2: R61.7.2 U14.11
NetR61.8_2: R61.8.2 U14.4
NetR61.9_2: R61.9.2 U15.14 | length 1423.1
  Top Layer w8: R61.9.2@585.56,911.17 610.76,911.17 745.23,776.7 814.72,776.7 856.78,734.64 856.78,671.34 v1(1049.18,478.95) ; v1(1441.75,182.97) 1517.03,182.97 1564.47,135.53 U15.14@1600.03,135.53
  Bottom Layer w8: v1(1049.18,478.95) 1049.18,393.16 1259.37,182.97 v1(1441.75,182.97)
NetR61.10_2: R61.10.2 U15.7 | length 1019.4
  Top Layer w8: R61.10.2@1175.23,918.65 1200.43,918.65 1262.93,856.15 1332.42,856.15 1424.6,763.97 1424.6,761.46 v1(1603.31,582.76) ; U15.7@1726.21,182.97 v1(1726.21,236.21)
  Bottom Layer w8: v1(1603.31,582.76) 1726.21,459.85 v1(1726.21,236.21)
NetR61.11_2: R61.11.2 U15.11 | length 1404.4
  Top Layer w8: v1(1610,246.83) 1647.47,209.36 U15.11@1647.47,182.97 ; v1(1610,464.95) 1614.95,464.95 1656.77,506.77 v1(1829.06,506.77) ; R61.11.2@1845.4,911.17 1936.57,820 v1(2084.39,820)
  Bottom Layer w8: v1(1610,246.83) v1(1610,464.95) ; v1(1829.06,506.77) 1874.52,506.77 1891.75,524 2056.53,524 2146.7,614.18 2146.7,757.69 v1(2084.39,820)
NetR61.12_2: R61.12.2 U15.4 | length 1729.1
  Top Layer w8: U15.4@1753.97,115.84 1900,115.84 v1(1907.05,122.89) ; R61.12.2@2435.07,918.65 2553.72,800 2719.3,800 v1(2750,769.3)
  Bottom Layer w8: v1(1907.05,122.89) 2346.49,562.33 2524.78,562.33 2547.28,584.83 2711.6,584.83 2750,623.23 v1(2750,769.3)
NetR61.13_2: R61.13.2 U13.14 | length 1365.2
  Top Layer w8: R61.13.2@3105.24,911.17 3238.71,777.7 3357.95,777.7 3385.65,750 v1(3490,750) ; v1@4089.76,180 v1(4090,180) 4115.5,154.5 U13.14@4156.83,154.5
  Bottom Layer w8: v1(3490,750) 3520,750 v1(4090,180)
NetR61.14_2: R61.14.2 U13.7 | length 1098
  Top Layer w8: R61.14.2@3694.91,918.65 3828.38,785.18 3924.49,785.18 3975.95,733.72 4063.04,733.72 v1(4090,706.76) ; U13.7@4283.01,201.94 4288.03,201.94 v1(4316.1,230)
  Bottom Layer w8: v1(4090,706.76) 4090,470.08 4316.1,243.99 v1(4316.1,230)
NetR61.15_2: R61.15.2 U13.11 | length 1257
  Top Layer w8: U13.11@4204.27,201.94 4207.83,205.5 4207.83,286.23 4316.41,394.8 v1(4316.41,430) ; R61.15.2@4365.08,911.17 4496.25,780 v1(4650,780)
  Bottom Layer w8: v1(4316.41,430) 4360.09,430 4375.09,445 4567.8,445 4670,547.2 4670,760 v1(4650,780)